# Altium PCB KlusterLab r2.0.PcbDoc (part 18 of 22)
Units mm, origin at the board's own origin, x right, y up, seen from the top; angles counter-clockwise.
Board outline 232 x 250 mm, 12 copper layers (L1 Top, L2 Inner1 (GND), L3 Inner2 (Sig), L4 Inner3 (GND), L5 Inner4 (PWR), L6 Inner5 (PWR), L7 Inner6 (PWR), L8 Inner7 (PWR), L9 Inner8 (GND), L10 Inner9 (Sig), L11 Inner10 (GND), L12 Bottom), stack 1.614 mm thick; 1169 components, 852 nets, 4679 pads, 5115 vias.
Unrouted connection lines stored in the file: 1.
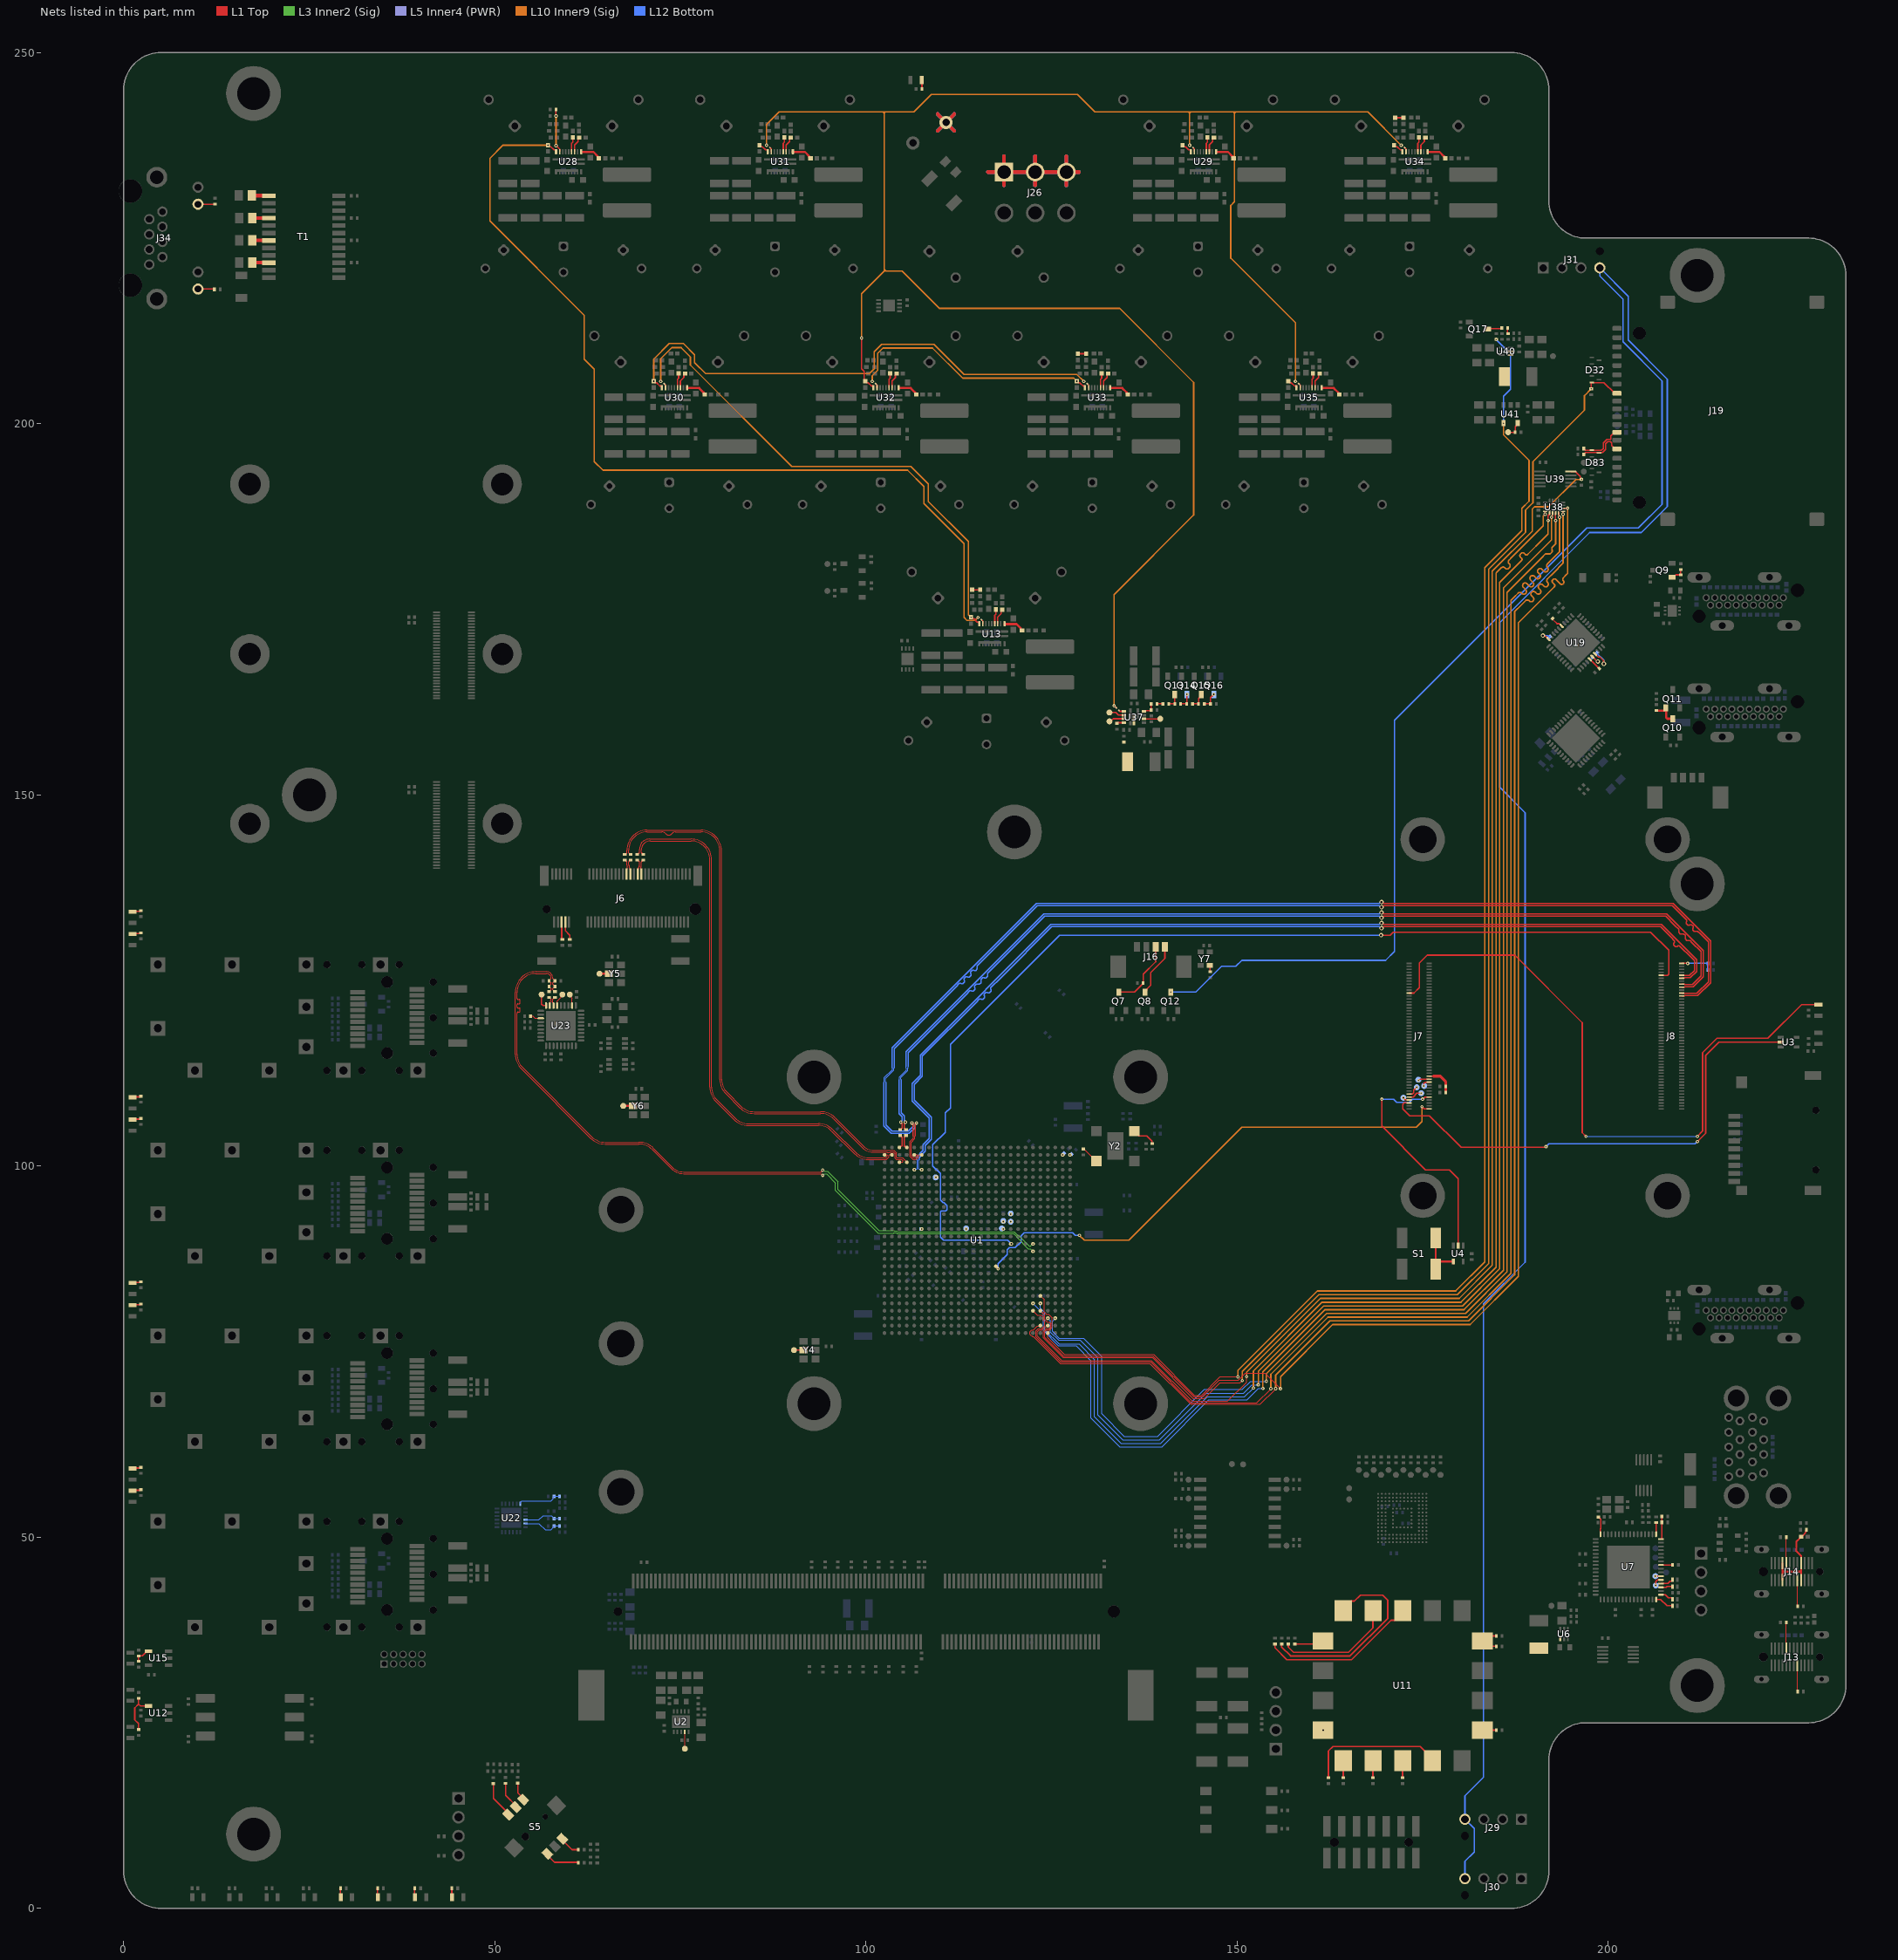
[diagram p28: the nets of this part, all layers, seen from the top]

## Via types
v1: diameter 0.45, hole 0.2, L1 Top to L12 Bottom, tented both sides, 4200 vias
v2: diameter 0.6, hole 0.3, L1 Top to L12 Bottom, tented both sides, 908 vias
v3: diameter 0.4, hole 0.2, L1 Top to L12 Bottom, tented both sides, 7 vias

## Nets (pads, with @x,y where several pads share a name; then routed paths per layer and width w, separated by ;. In a path a pad name is that pad's centre, name@x,y a point inside that pad or via, vN(x,y) a via of type N, cw(c..) or ccw(c..) an arc to the next point about the centre after c; other vN are vias at no path point) (continued)
NetD68_2: D68.2 R193.1 | length 1.2
  L1 Top w0.2: R193.1@29.105,2.6 29.178,2.528 29.178,1.573 D68.2@29.25,1.5
NetD69_2: D69.2 R194.1 | length 1.2
  L1 Top w0.2: R194.1@34.105,2.6 34.178,2.528 34.178,1.573 D69.2@34.25,1.5
NetD70_2: D70.2 R195.1 | length 1.2
  L1 Top w0.2: R195.1@39.105,2.6 39.177,2.528 39.177,1.573 D70.2@39.25,1.5
NetD71_2: D71.2 R196.1 | length 2.4
  L1 Top w0.2: R196.1@44.105,2.6 44.177,2.528 44.177,1.573 D71.2@44.25,1.5 44.23,1.52 44.23,2.68 R196.1@44.21,2.7
NetD73_2: D73.2 R212.1 | length 1.2
  L1 Top w0.25: D73.2@107.5,246.3 107.525,246.275 107.525,245.125 R212.1@107.55,245.1
NetD75_1: D75.1 J14.A4 J14.A9 J14.B4 J14.B9 R134.1 | length 13.9
  L1 Top w0.15: D75.1@226.01,50.05 226.025,50.05 226.225,50.25 226.225,50.265 226.583,50.623 226.583,50.888 R134.1@226.695,51
  L1 Top w0.25: J14.B9@223.475,44.221 J14.A4@223.475,46.496 ; 223.501,45.213 223.647,45.359 ; 223.501,45.506 223.647,45.359 ; 225.949,45.213 225.803,45.359 ; 225.949,45.506 225.803,45.359 ; J14.B4@225.975,44.221 J14.A9@225.975,46.496 ; 225.975,45.506 J14.A9@225.975,46.496 ; D75.1@226,50.05 225.975,50.05 225.825,49.9 225.825,49.875 225.35,49.4 225.35,48.125 225.975,47.5 J14.A9@225.975,46.496 ; 223.647,45.359 225.803,45.359
NetD77_1: D77.1 U7.36 | length 1.8
  L1 Top w0.15: U7.36@207.1,43.75 208.033,43.75 208.345,44.062 208.55,44.062 208.65,44.162 D77.1@208.65,44.25
NetD78_1: D78.1 U7.35 | length 1.6
  L1 Top w0.15: U7.35@207.1,43.25 207.8,43.25 207.9,43.35 D78.1@208.65,43.35
NetD79_1: D79.1 U7.33 | length 1.8
  L1 Top w0.15: U7.33@207.1,42.25 207.699,42.25 208.122,41.827 208.55,41.827 208.65,41.727 D79.1@208.65,41.65
NetD80_1: D80.1 U7.32 | length 2.6
  L1 Top w0.15: U7.32@206.45,41.6 207.05,41.6 207.9,40.75 D80.1@208.65,40.75
NetD138_2: D138.2 R275.2 | length 1.2
  L1 Top w0.2: D138.2@1.2,59.25 1.272,59.323 2.228,59.323 R275.2@2.3,59.395
NetD139_2: D139.2 R276.2 | length 1.2
  L1 Top w0.2: D139.2@1.2,56.25 1.272,56.323 2.228,56.323 R276.2@2.3,56.395
NetD140_2: D140.2 R277.2 | length 1.2
  L1 Top w0.2: D140.2@1.2,84.25 1.272,84.323 2.228,84.323 R277.2@2.3,84.395
NetD141_2: D141.2 R278.2 | length 1.2
  L1 Top w0.2: D141.2@1.2,81.25 1.272,81.323 2.228,81.323 R278.2@2.3,81.395
NetD142_2: D142.2 R279.2 | length 1.2
  L1 Top w0.2: D142.2@1.2,109.25 1.272,109.323 2.228,109.323 R279.2@2.3,109.395
NetD143_2: D143.2 R280.2 | length 1.2
  L1 Top w0.2: D143.2@1.2,106.25 1.272,106.323 2.228,106.323 R280.2@2.3,106.395
NetD144_2: D144.2 R281.2 | length 1.2
  L1 Top w0.2: D144.2@1.2,134.25 1.272,134.323 2.228,134.323 R281.2@2.3,134.395
NetD145_2: D145.2 R282.2 | length 1.2
  L1 Top w0.2: D145.2@1.2,131.25 1.272,131.323 2.228,131.323 R282.2@2.3,131.395
NetF1_1: F1.1 J26.1 J26.2 J26.3 | length 60.9
  L1 Top w0.5: 109.655,239.456 F1.1@110.777,240.579 ; 109.655,241.701 F1.1@110.777,240.579 ; 111.9,239.456 F1.1@110.777,240.579 ; 111.9,241.701 F1.1@110.777,240.579 ; 116.45,233.9 J26.1@118.6,233.9 ; 118.6,232.1 J26.1@118.6,233.9 ; 118.6,236.05 J26.1@118.6,233.9 ; 122.8,232.1 J26.2@122.8,233.9 122.8,236.05 ; 127,232.1 J26.3@127,233.9 ; 127,236.05 J26.3@127,233.9 ; 128.7,233.9 J26.3@127,233.9 ; J26.1@118.6,233.9 J26.3@127,233.9
  L5 Inner4 (PWR) w0.5: 109.655,239.456 F1.1@110.777,240.579 ; 109.655,241.701 F1.1@110.777,240.579 ; 111.9,239.456 F1.1@110.777,240.579 ; 111.9,241.701 F1.1@110.777,240.579 ; 116.45,233.9 J26.1@118.6,233.9 ; 118.6,232.1 J26.1@118.6,233.9 ; 118.6,236.05 J26.1@118.6,233.9 ; 122.8,232.1 J26.2@122.8,233.9 122.8,236.05 ; 127,232.1 J26.3@127,233.9 ; 127,236.05 J26.3@127,233.9 ; 128.7,233.9 J26.3@127,233.9 ; J26.1@118.6,233.9 J26.3@127,233.9
NetJ6_6: J6.6 R64.2 | length 2.4
  L1 Top w0.2: J6.6@59,132.875 59,130.61 59.01,130.6 R64.2@59.1,130.6
NetJ6_8: J6.8 R65.2 | length 2.6
  L1 Top w0.2: J6.8@59.5,132.875 59.5,131.7 60.11,131.09 R65.2@60.11,130.5
NetJ7_78: J7.78 R66.2 R67.2 | length 4
  L1 Top w0.2: J7.78@175.88,112.1 176.5,112.1
  L1 Top w0.4: 176.5,112.1 177.374,112.1 178.1,111.374 R67.2@178.1,109.905
NetJ7_89: J7.89 TP4.1 | length 1.6
  L1 Top w0.15: J7.89@173.15,109.7 173.159,109.709 173.609,109.709 173.8,109.9 173.8,110.2 v1(174.2,110.6)
NetJ7_91: J7.91 TP5.1 | length 1.9
  L1 Top w0.15: J7.91@173.15,109.3 173.7,109.3 174.2,109.8 v1(174.8,109.8)
NetJ7_93: J7.93 TP6.1 | length 0.9
  L1 Top w0.15: v1(172.4,109.2) 172.675,108.925 173.125,108.925 J7.93@173.15,108.9
NetJ13_A5: J13.A5 R85.2 | length 3.5
  L1 Top w0.146: J13.A5@223.975,34.996 R85.2@223.975,38.48
NetJ13_B5: J13.B5 R132.2 | length 3.5
  L1 Top w0.146: J13.B5@225.475,32.721 225.49,32.706 R132.2@225.49,29.215
NetJ14_A5: J14.A5 R136.2 | length 3.5
  L1 Top w0.146: J14.A5@223.975,46.496 R136.2@223.975,49.98
NetJ14_B5: J14.B5 R138.2 | length 3.5
  L1 Top w0.146: J14.B5@225.475,44.221 225.49,44.206 225.49,40.715 R138.2@225.505,40.7
NetJ16_3: J16.3 Q7.3 R92.1 | length 9.3
  L1 Top w0.2: Q7.3@134.075,123.435 136.18,123.435 137.345,124.6 R92.1@137.345,124.65 137.345,125.845 139.025,127.525 J16.3@139.025,129.5
NetJ16_4: J16.4 Q8.3 | length 7.2
  L1 Top w0.2: Q8.3@137.575,123.435 137.8,123.66 137.8,123.811 138.35,124.361 138.35,126.05 140.275,127.975 J16.4@140.275,129.5
NetJ29_4: J29.4 J30.4 J31.4 Q12.3 | length 387.1
  L1 Top w0.2: Q12.3@141,123.51 v1(141.075,123.435)
  L12 Bottom w0.2: v1(141.075,123.435) v1@141.086,123.446 ; v1@141.075,123.446 v1@141.086,123.446 ; J30.4@180.69,4 180.69,6.34 181.95,7.6 181.95,10.74 J29.4@180.69,12 180.69,15.14 183.2,17.65 183.2,81.45 188.798,87.048 188.798,147.602 185.4,151 185.4,173.235 197.502,185.337 204.473,185.337 207.956,188.82 207.956,206.004 202.69,211.269 202.69,217.17 J31.4@198.86,221 198.86,219.89 201.972,216.778 201.972,211.028 207.25,205.75 207.25,189.146 204.054,185.95 197.1,185.95 171.2,160.05 171.2,128.9 170,127.7 150.625,127.7 149.825,126.9 147.9,126.9 144.446,123.446 v1@141.086,123.446
NetJ34_9: J34.9 R149.2 | length 2.2
  L1 Top w0.15: J34.9@10.019,218.14 12.165,218.14 R149.2@12.205,218.1
NetJ34_11: J34.11 R137.2 | length 2.2
  L1 Top w0.15: J34.11@10.019,229.57 12.175,229.57 R137.2@12.205,229.6
NetL9_2: L9.2 U6.4
NetL20_1: L20.1 R323.1 U37.8
NetL21_2: L21.2 U40.4
NetQ9_1: Q9.1 R161.2 R162.1 | length 2
  L1 Top w0.2: Q9.1@208.592,179.304 208.742,179.304 209.087,179.649 R162.1@209.757,179.649 R161.2@209.757,180.359
NetQ10_3: Q10.3 Q11.1 R171.1 | length 3.5
  L1 Top w0.3: R171.1@206.518,161.339 207.713,161.339 Q11.1@207.747,161.374 ; Q11.1@207.747,161.719 207.797,161.669 207.797,161.374 207.797,160.43 207.973,160.254 Q10.3@208.697,160.254
NetQ13_3: Q13.3 R327.1 R328.2 | length 2.1
  L1 Top w0.15: R327.1@140.795,162.25 R328.2@141.605,162.25 141.605,163.51 Q13.3@141.6,163.515
NetQ14_3: Q14.3 R328.1 R329.2 | length 2.1
  L1 Top w0.15: R328.1@142.395,162.25 R329.2@143.205,162.25 143.227,162.273 143.227,163.508 v1(143.25,163.531)
NetQ15_3: Q15.3 R329.1 R330.2 | length 2.2
  L1 Top w0.15: R329.1@143.995,162.25 R330.2@144.805,162.25 144.805,162.97 145.2,163.365 Q15.3@145.2,163.515
NetQ16_3: Q16.3 R330.1 R331.2 | length 2.3
  L1 Top w0.15: R330.1@145.595,162.25 146.355,162.25 146.405,162.3 R331.2@146.405,162.25 146.405,163.086 v1(146.85,163.531)
NetQ17_3: Q17.3 R341.1 | length 2
  L1 Top w0.15: Q17.3@183.735,212.75 183.795,212.81 185.565,212.81 R341.1@185.655,212.9
NetR16_1: R16.1 U1.M6
  other v1: 107.5,91.5
NetR68_2: R68.2 R73.1 U7.48 | length 3.1
  L1 Top w0.15: U7.48@207.1,49.75 207.159,49.75 207.205,49.796 R73.1@207.205,52 R68.2@207.205,52.8
NetR74_2: R74.2 U7.41 | length 1.6
  L1 Top w0.15: U7.41@207.1,46.25 R74.2@208.65,46.25
NetR76_1: R76.1 T1.10 | length 2.2
  L1 Top w0.5: R76.1@17.325,221.7 T1.10@19.55,221.7
NetR77_1: R77.1 T1.7 | length 2.2
  L1 Top w0.5: R77.1@17.325,224.7 T1.7@19.55,224.7
NetR78_2: R78.2 U7.64 | length 2.5
  L1 Top w0.15: R78.2@198.65,52.705 198.7,52.705 199.011,52.394 199.011,51.189 198.95,51.128 U7.64@198.95,50.4
NetR80_2: R80.2 U7.49 | length 1.6
  L1 Top w0.15: U7.49@206.45,50.4 R80.2@206.45,51.955
NetR96_2: R96.2 U11.15 | length 1.9
  L1 Top w0.2: U11.15@183.025,24 R96.2@184.905,24
NetR97_2: R97.2 U11.10 | length 2.3
  L1 Top w0.2: R97.2@164.3,17.595 U11.10@164.3,19.9
NetR98_1: R98.1 R102.2 U11.18 | length 4.3
  L1 Top w0.2: R98.1@184.905,35.3 183.725,35.3 U11.18@183.025,36 183.725,36.7 R102.2@184.905,36.7
NetR99_2: R99.2 U11.11 | length 2.3
  L1 Top w0.2: R99.2@168.3,17.6 U11.11@168.3,19.9
NetR100_2: R100.2 U11.12 | length 2.3
  L1 Top w0.2: R100.2@172.3,17.595 U11.12@172.3,19.9
NetR101_2: R101.2 U11.13 | length 18.8
  L1 Top w0.2: R101.2@162.3,17.595 162.3,21.2 162.9,21.8 174.65,21.8 176.3,20.15 U11.13@176.3,19.9
NetR103_2: R103.2 Y2.1 | length 3.3
  L1 Top w0.15: Y2.1@136.14,104.7 136.765,104.075 137.85,104.075 138.55,103.375 R103.2@138.55,103.04
NetR104_1: R104.1 Y2.3 | length 2.4
  L1 Top w0.1: R104.1@129.3,102.295 129.35,102.295 130.295,101.35 130.41,101.35 Y2.3@131.06,100.7
NetR106_1: R106.1 R108.1 U12.4 | length 6.1
  L1 Top w0.2: R106.1@2,24.095 2,24.9 1.5,25.4 1.5,27 2,27.5 ; R108.1@2,28.305 2,27.5 ; U12.4@3.35,27.25 2.25,27.25 2,27.5
NetR107_1: R107.1 R109.2 U15.4 | length 2.4
  L1 Top w0.2: R107.1@2,33.295 R109.2@2,34.005 2.54,34.005 2.95,34.415 2.95,34.5 3.1,34.65 U15.4@3.35,34.65
NetR113_1: R113.1 U11.3 | length 21.2
  L1 Top w0.2: R113.1@155.1,35.605 155.1,35.1 156.7,33.5 165.414,33.5 170.714,38.8 171.25,38.8 172.3,39.85 U11.3@172.3,40.1
NetR114_1: R114.1 U11.4 | length 15.8
  L1 Top w0.2: R114.1@156.9,35.605 156.9,35.2 157.6,34.5 165,34.5 168.3,37.8 U11.4@168.3,40.1
NetR115_1: R115.1 U11.5 | length 27
  L1 Top w0.2: R115.1@156,35.605 156,35.2 157.2,34 165.207,34 170.3,39.093 170.3,41.5 169.6,42.2 166.6,42.2 165.8,41.4 165.35,41.4 164.3,40.35 U11.5@164.3,40.1
NetR116_1: R116.1 U11.6 | length 3.9
  L1 Top w0.2: R116.1@157.8,35.605 161.18,35.605 U11.6@161.575,36
NetR117_1: R117.1 U1.B26
  other v1: 127.5,101.5
NetR131_1: R131.1 T1.4 | length 2.2
  L1 Top w0.5: R131.1@17.325,227.7 T1.4@19.55,227.7
NetR148_1: R148.1 Y7.3 | length 0.9
  L1 Top w0.1: Y7.3@146.338,127.015 Y7.3@146.375,126.978
  L1 Top w0.15: R148.1@146.375,126.17 Y7.3@146.375,126.978
NetR150_1: R150.1 T1.1 | length 2.3
  L1 Top w0.5: R150.1@17.275,230.75 17.3,230.725 19.525,230.725 T1.1@19.55,230.7
NetR152_2: R152.2 U19.30 | length 2
  L1 Top w0.2: v2(191.197,171.454) 191.478,171.454 191.938,170.993 U19.30@191.954,170.993
  L12 Bottom w0.2: v2(191.197,171.454) 191.897,171.454 192.065,171.287 R152.2@192.155,171.287
NetR156_2: R156.2 U19.7 | length 3.8
  L1 Top w0.2: U19.7@198.219,168.971 198.246,168.971 198.663,168.554 198.897,168.554 199.373,168.078 199.373,167.678 v2(199.397,167.654)
  L12 Bottom w0.2: R156.2@198.442,169.102 199.397,168.146 v2(199.397,167.654)
NetR157_2: R157.2 U19.6 | length 2
  L1 Top w0.2: U19.6@197.865,168.617 198.529,167.954 v2(198.596,167.954)
  L12 Bottom w0.2: R157.2@197.876,168.536 197.945,168.536 198.527,167.954 v2(198.596,167.954)
NetR160_2: R160.2 U19.5 | length 1.8
  L1 Top w0.2: U19.5@197.512,168.264 197.529,168.264 198.76,167.033 R160.2@198.777,167.033
NetR163_2: R163.2 U19.25 | length 1.7
  L1 Top w0.2: R163.2@192.502,173.769 192.502,173.65 193.097,173.054 193.402,173.054 193.695,172.761 U19.25@193.722,172.761
NetR178_2: R178.2 S5.1 | length 2.5
  L1 Top w0.2: R178.2@53.1,16.855 53.1,15.548 S5.1@53.952,14.696
NetR184_2: R184.2 S5.3 | length 4.9
  L1 Top w0.2: R184.2@49.8,16.805 49.8,14.82 S5.3@51.867,12.752
NetR185_2: R185.2 S5.2 | length 3.7
  L1 Top w0.2: R185.2@51.45,16.85 51.45,15.234 52.91,13.775 S5.2@52.91,13.724
NetR186_2: R186.2 S5.4 | length 2.8
  L1 Top w0.2: S5.4@59.033,9.248 60.38,7.9 R186.2@61.255,7.9
NetR188_2: R188.2 S5.6 | length 4.8
  L1 Top w0.2: S5.6@56.948,7.304 58.052,6.2 61.205,6.2 R188.2@61.255,6.15
NetR200_1: R200.1 R203.2 U22.22 | length 5
  L12 Bottom w0.1: R203.2@57.995,52.5 R200.1@58.705,52.5
  L12 Bottom w0.114: U22.22@54.113,52.35 55.95,52.35 56.5,52.9 57.645,52.9 57.995,52.55 R203.2@57.995,52.5
NetR201_1: R201.1 R204.2 U22.23 | length 5.2
  L12 Bottom w0.114: U22.23@54.113,51.85 55.95,51.85 56.8,51 57.545,51 57.995,51.45 R204.2@57.995,51.5 R201.1@58.705,51.5
NetR202_1: R202.1 R205.2 U22.18 | length 5.9
  L12 Bottom w0.114: U22.18@53.45,54.513 53.45,54.688 53.662,54.9 55.569,54.9 55.571,54.898 57.598,54.898 57.876,55.176 57.876,55.381 R205.2@57.995,55.5 R202.1@58.705,55.5
NetR207_2: R207.2 R210.1 | length 1.1
  L1 Top w0.2: R207.2@114.3,177.625 R210.1@115.4,177.625
NetR211_2: R211.2 U23.21 | length 1.5
  L1 Top w0.114: R211.2@54.8,120.2 55.1,120.2 55.4,119.9 U23.21@56.19,119.9
NetR213_1: R213.1 U28.1 | length 2.9
  L1 Top w0.3: U28.1@61.65,236.65 61.65,236.6 63.275,236.6 63.875,236 63.875,235.875 64,235.75 R213.1@64.025,235.75
NetR218_2: R218.2 U28.3 | length 2.2
  L1 Top w0.2: U28.3@60.75,236.65 60.75,237.55 61.218,238.018 61.218,238.393 R218.2@61.375,238.55
NetR219_2: R219.2 U28.4 | length 2
  L1 Top w0.2: U28.4@60.35,236.65 60.35,237.772 60.5,237.922 R219.2@60.5,238.575
NetR221_1: R221.1 U29.1 | length 2.9
  L1 Top w0.3: U29.1@147.15,236.65 147.15,236.6 148.775,236.6 149.375,236 149.375,235.875 149.5,235.75 R221.1@149.525,235.75
NetR226_2: R226.2 U29.3 | length 2.2
  L1 Top w0.2: U29.3@146.25,236.65 146.25,237.55 146.718,238.018 146.718,238.393 R226.2@146.875,238.55
NetR227_2: R227.2 U29.4 | length 2
  L1 Top w0.2: U29.4@145.85,236.65 145.85,237.772 146,237.922 R227.2@146,238.575
NetR232_1: R232.1 U13.1 | length 2.9
  L1 Top w0.3: U13.1@118.65,173.05 118.65,173 120.275,173 120.875,172.4 120.875,172.275 121,172.15 R232.1@121.025,172.15
NetR234_1: R234.1 U30.1 | length 2.9
  L1 Top w0.3: U30.1@75.9,204.85 75.9,204.8 77.525,204.8 78.125,204.2 78.125,204.075 78.25,203.95 R234.1@78.275,203.95
NetR239_2: R239.2 U30.3 | length 2.2
  L1 Top w0.2: U30.3@75,204.85 75,205.75 75.468,206.218 75.468,206.593 R239.2@75.625,206.75
NetR240_2: R240.2 U30.4 | length 2
  L1 Top w0.2: U30.4@74.6,204.85 74.6,205.972 74.75,206.122 R240.2@74.75,206.775
NetR242_1: R242.1 U31.1 | length 2.9
  L1 Top w0.3: U31.1@90.15,236.65 90.15,236.6 91.775,236.6 92.375,236 92.375,235.875 92.5,235.75 R242.1@92.525,235.75
NetR247_2: R247.2 U31.3 | length 2.2
  L1 Top w0.2: U31.3@89.25,236.65 89.25,237.55 89.718,238.018 89.718,238.393 R247.2@89.875,238.55
NetR248_2: R248.2 U31.4 | length 2
  L1 Top w0.2: U31.4@88.85,236.65 88.85,237.772 89,237.922 R248.2@89,238.575
NetR250_1: R250.1 U32.1 | length 2.9
  L1 Top w0.3: U32.1@104.4,204.85 104.4,204.8 106.025,204.8 106.625,204.2 106.625,204.075 106.75,203.95 R250.1@106.775,203.95
NetR274_2: R274.2 U1.B25
  other v1: 126.5,101.5
NetR288_2: R288.2 R300.1 | length 1.1
  L1 Top w0.2: R288.2@128.55,209.425 R300.1@129.65,209.425
NetR292_2: R292.2 U13.3 | length 2.2
  L1 Top w0.2: U13.3@117.75,173.05 117.75,173.95 118.218,174.418 118.218,174.793 R292.2@118.375,174.95
NetR293_2: R293.2 U13.4 | length 2
  L1 Top w0.2: U13.4@117.35,173.05 117.35,174.172 117.5,174.322 R293.2@117.5,174.975
NetR295_2: R295.2 U32.3 | length 2.2
  L1 Top w0.2: U32.3@103.5,204.85 103.5,205.75 103.968,206.218 103.968,206.593 R295.2@104.125,206.75
NetR296_2: R296.2 U32.4 | length 2
  L1 Top w0.2: U32.4@103.1,204.85 103.1,205.972 103.25,206.122 R296.2@103.25,206.775
NetR298_1: R298.1 U33.1 | length 2.9
  L1 Top w0.3: U33.1@132.9,204.85 132.9,204.8 134.525,204.8 135.125,204.2 135.125,204.075 135.25,203.95 R298.1@135.275,203.95
NetR303_2: R303.2 U33.3 | length 2.2
  L1 Top w0.2: U33.3@132,204.85 132,205.75 132.468,206.218 132.468,206.593 R303.2@132.625,206.75
NetR304_2: R304.2 U33.4 | length 2
  L1 Top w0.2: U33.4@131.6,204.85 131.6,205.972 131.75,206.122 R304.2@131.75,206.775
NetR306_1: R306.1 U34.1 | length 2.9
  L1 Top w0.3: U34.1@175.65,236.65 175.65,236.6 177.275,236.6 177.875,236 177.875,235.875 178,235.75 R306.1@178.025,235.75
NetR308_2: R308.2 R322.1 | length 1.1
  L1 Top w0.2: R308.2@171.3,241.225 R322.1@172.4,241.225
NetR311_2: R311.2 U34.3 | length 2.2
  L1 Top w0.2: U34.3@174.75,236.65 174.75,237.55 175.218,238.018 175.218,238.393 R311.2@175.375,238.55
NetR312_2: R312.2 U34.4 | length 2
  L1 Top w0.2: U34.4@174.35,236.65 174.35,237.772 174.5,237.922 R312.2@174.5,238.575
NetR314_1: R314.1 U35.1 | length 2.9
  L1 Top w0.3: U35.1@161.4,204.85 161.4,204.8 163.025,204.8 163.625,204.2 163.625,204.075 163.75,203.95 R314.1@163.775,203.95
NetR319_2: R319.2 U35.3 | length 2.2
  L1 Top w0.2: U35.3@160.5,204.85 160.5,205.75 160.968,206.218 160.968,206.593 R319.2@161.125,206.75
NetR320_2: R320.2 U35.4 | length 2
  L1 Top w0.2: U35.4@160.1,204.85 160.1,205.972 160.25,206.122 R320.2@160.25,206.775
NetR325_1: R325.1 R326.2 U37.12 | length 1.8
  L1 Top w0.15: U37.12@137.45,161.25 137.522,161.323 138.29,161.323 138.405,161.438 R325.1@138.405,161.45 R326.2@138.405,162.25
NetR326_1: R326.1 R327.2 | length 0.8
  L1 Top w0.15: R326.1@139.195,162.25 R327.2@140.005,162.25
NetR340_1: R340.1 R341.2 | length 0.8
  L1 Top w0.15: R341.2@186.445,212.9 186.445,212.2 R340.1@186.5,212.145
NetS1_1: S1.1 S1.3 U4.4 | length 7
  L1 Top w0.15: S1.3@176.75,86.1 S1.3@176.75,86.575
  L1 Top w0.2: S1.3@176.75,86.575 S1.1@176.75,90.3
  L1 Top w0.3: S1.3@176.75,86.575 177.3,87.125 U4.4@179.15,87.125 U4.4@179.15,86.925
NetTP1_1: TP1.1 U2.9 | length 2.3
  L1 Top w0.1: TP1.1@75.6,21.5 U2.9@75.6,23.75
NetTP8_1: TP8.1 U1.M17
  other v1: 118.5,91.5
NetTP9_1: TP9.1 U1.L18
  other v1: 119.5,92.5
NetTP10_1: TP10.1 U1.L17
  other v1: 118.5,92.5
NetTP11_1: TP11.1 U1.K18
  other v1: 119.5,93.5
NetTP12_1: TP12.1 U11.9
  other v1: 161.6,24
NetTP13_1: TP13.1 U23.18 | length 2
  L1 Top w0.15: TP13.1@56.3,123.1 56.3,121.8 56.49,121.61 U23.18@56.9,121.61
NetTP14_1: TP14.1 U23.11 | length 1.6
  L1 Top w0.114: TP14.1@60.1,123.1 60.1,122.914 60.4,122.614 U23.11@60.4,121.61
NetTP15_1: TP15.1 U23.15 | length 1.8
  L1 Top w0.114: U23.15@58.4,121.61 58.4,122.2 58.91,122.71 58.91,122.725 59.1,122.914 TP15.1@59.1,123.1
NetTP16_1: TP16.1 Y4.2 | length 1.3
  L1 Top w0.2: TP16.1@90.3,75.2 Y4.2@91.6,75.2
NetTP17_1: TP17.1 Y5.2 | length 1.3
  L1 Top w0.3: TP17.1@64.1,125.9 Y5.2@65.4,125.9
NetTP18_1: TP18.1 Y6.2 | length 1.3
  L1 Top w0.3: TP18.1@67.3,108.1 Y6.2@68.6,108.1
NetTP21_1: TP21.1 U1.E8
  other v1: 109.425,98.485
NetTP22_1: TP22.1 U1.M12
  other v1: 113.5,91.5
NetTP26_1: TP26.1 U7.38 | length 0.7
  L1 Top w0.15: v1(206.35,44.75) U7.38@207.1,44.75
NetTP27_1: TP27.1 U7.37 | length 1.3
  L1 Top w0.15: v1(206.4,43.5) 206.4,44.006 206.625,44.231 207.081,44.231 U7.37@207.1,44.25
NetTP29_1: TP29.1 U37.4 | length 2.1
  L1 Top w0.2: TP29.1@132.8,161.1 133.65,161.1 134,160.75 U37.4@134.75,160.75
NetTP30_1: TP30.1 U37.5 | length 2.1
  L1 Top w0.2: TP30.1@132.8,159.9 132.962,159.9 133.312,160.25 U37.5@134.75,160.25
NetTP31_1: TP31.1 U37.10 | length 2.2
  L1 Top w0.15: U37.10@137.45,160.25 TP31.1@139.65,160.25
PCIe_C_TX0_N: C82.1 U1.A3 | length 2
  L1 Top w0.166: U1.A3@104.5,102.5 104.59,102.5 104.708,102.617 104.756,102.617 104.854,102.715 104.854,103.157 104.854,103.906 104.65,104.11 C82.1@104.6,104.11
PCIe_C_TX0_P: C81.1 U1.A4 | length 2
  L1 Top w0.166: C81.1@105.4,104.105 105.35,104.105 105.147,103.901 105.147,103.279 105.147,102.715 105.244,102.617 105.292,102.617 105.41,102.5 U1.A4@105.5,102.5
PCIe_CLKREQ: J8.102 R69.1 R70.1 | length 4.4
  L1 Top w0.15: J8.102@209.88,127.3 v1(210.7,127.3)
  L12 Bottom w0.15: v1@210.703,127.3 R69.1@213.405,127.3 R70.1@213.405,126.4
PCIe_PERST: J8.109 U1.P18 | length 146.8
  L1 Top w0.1: U1.P18@119.5,89.5 119.502,89.502 v1(119.589,89.502)
  L1 Top w0.166: v2(169.4,131.1) 170.6,131.1 171,131.5 205.7,131.5 208.131,129.069 208.131,125.831 208,125.7 J8.109@207.15,125.7
  L12 Bottom w0.15: v1(119.589,89.502) 119.091,90 110.428,90 110.03,90.398 110.03,93.806 110.183,93.959 110.748,93.959 110.9,94.112 110.9,94.665 110.525,95.04 110.394,95.04 110.019,95.415 110.019,98.981 109.002,99.998 109.002,102.852 110.7,104.55 110.7,107.15 111.394,107.844 111.394,116.394 126.1,131.1 v2(169.4,131.1)